# Altium PCB LARIX_V5.PcbDoc (part 2 of 2)
Units mil, origin at the board's own origin, x right, y up, seen from the top; angles counter-clockwise.
Board outline 4291.67 x 4291.67 mil, 4 copper layers (Top, VCC_VDD, PGND_DGND, Bottom), stack 64.961 mil thick; 174 components, 176 nets, 678 pads, 226 vias.
Unrouted connection lines stored in the file: 1.
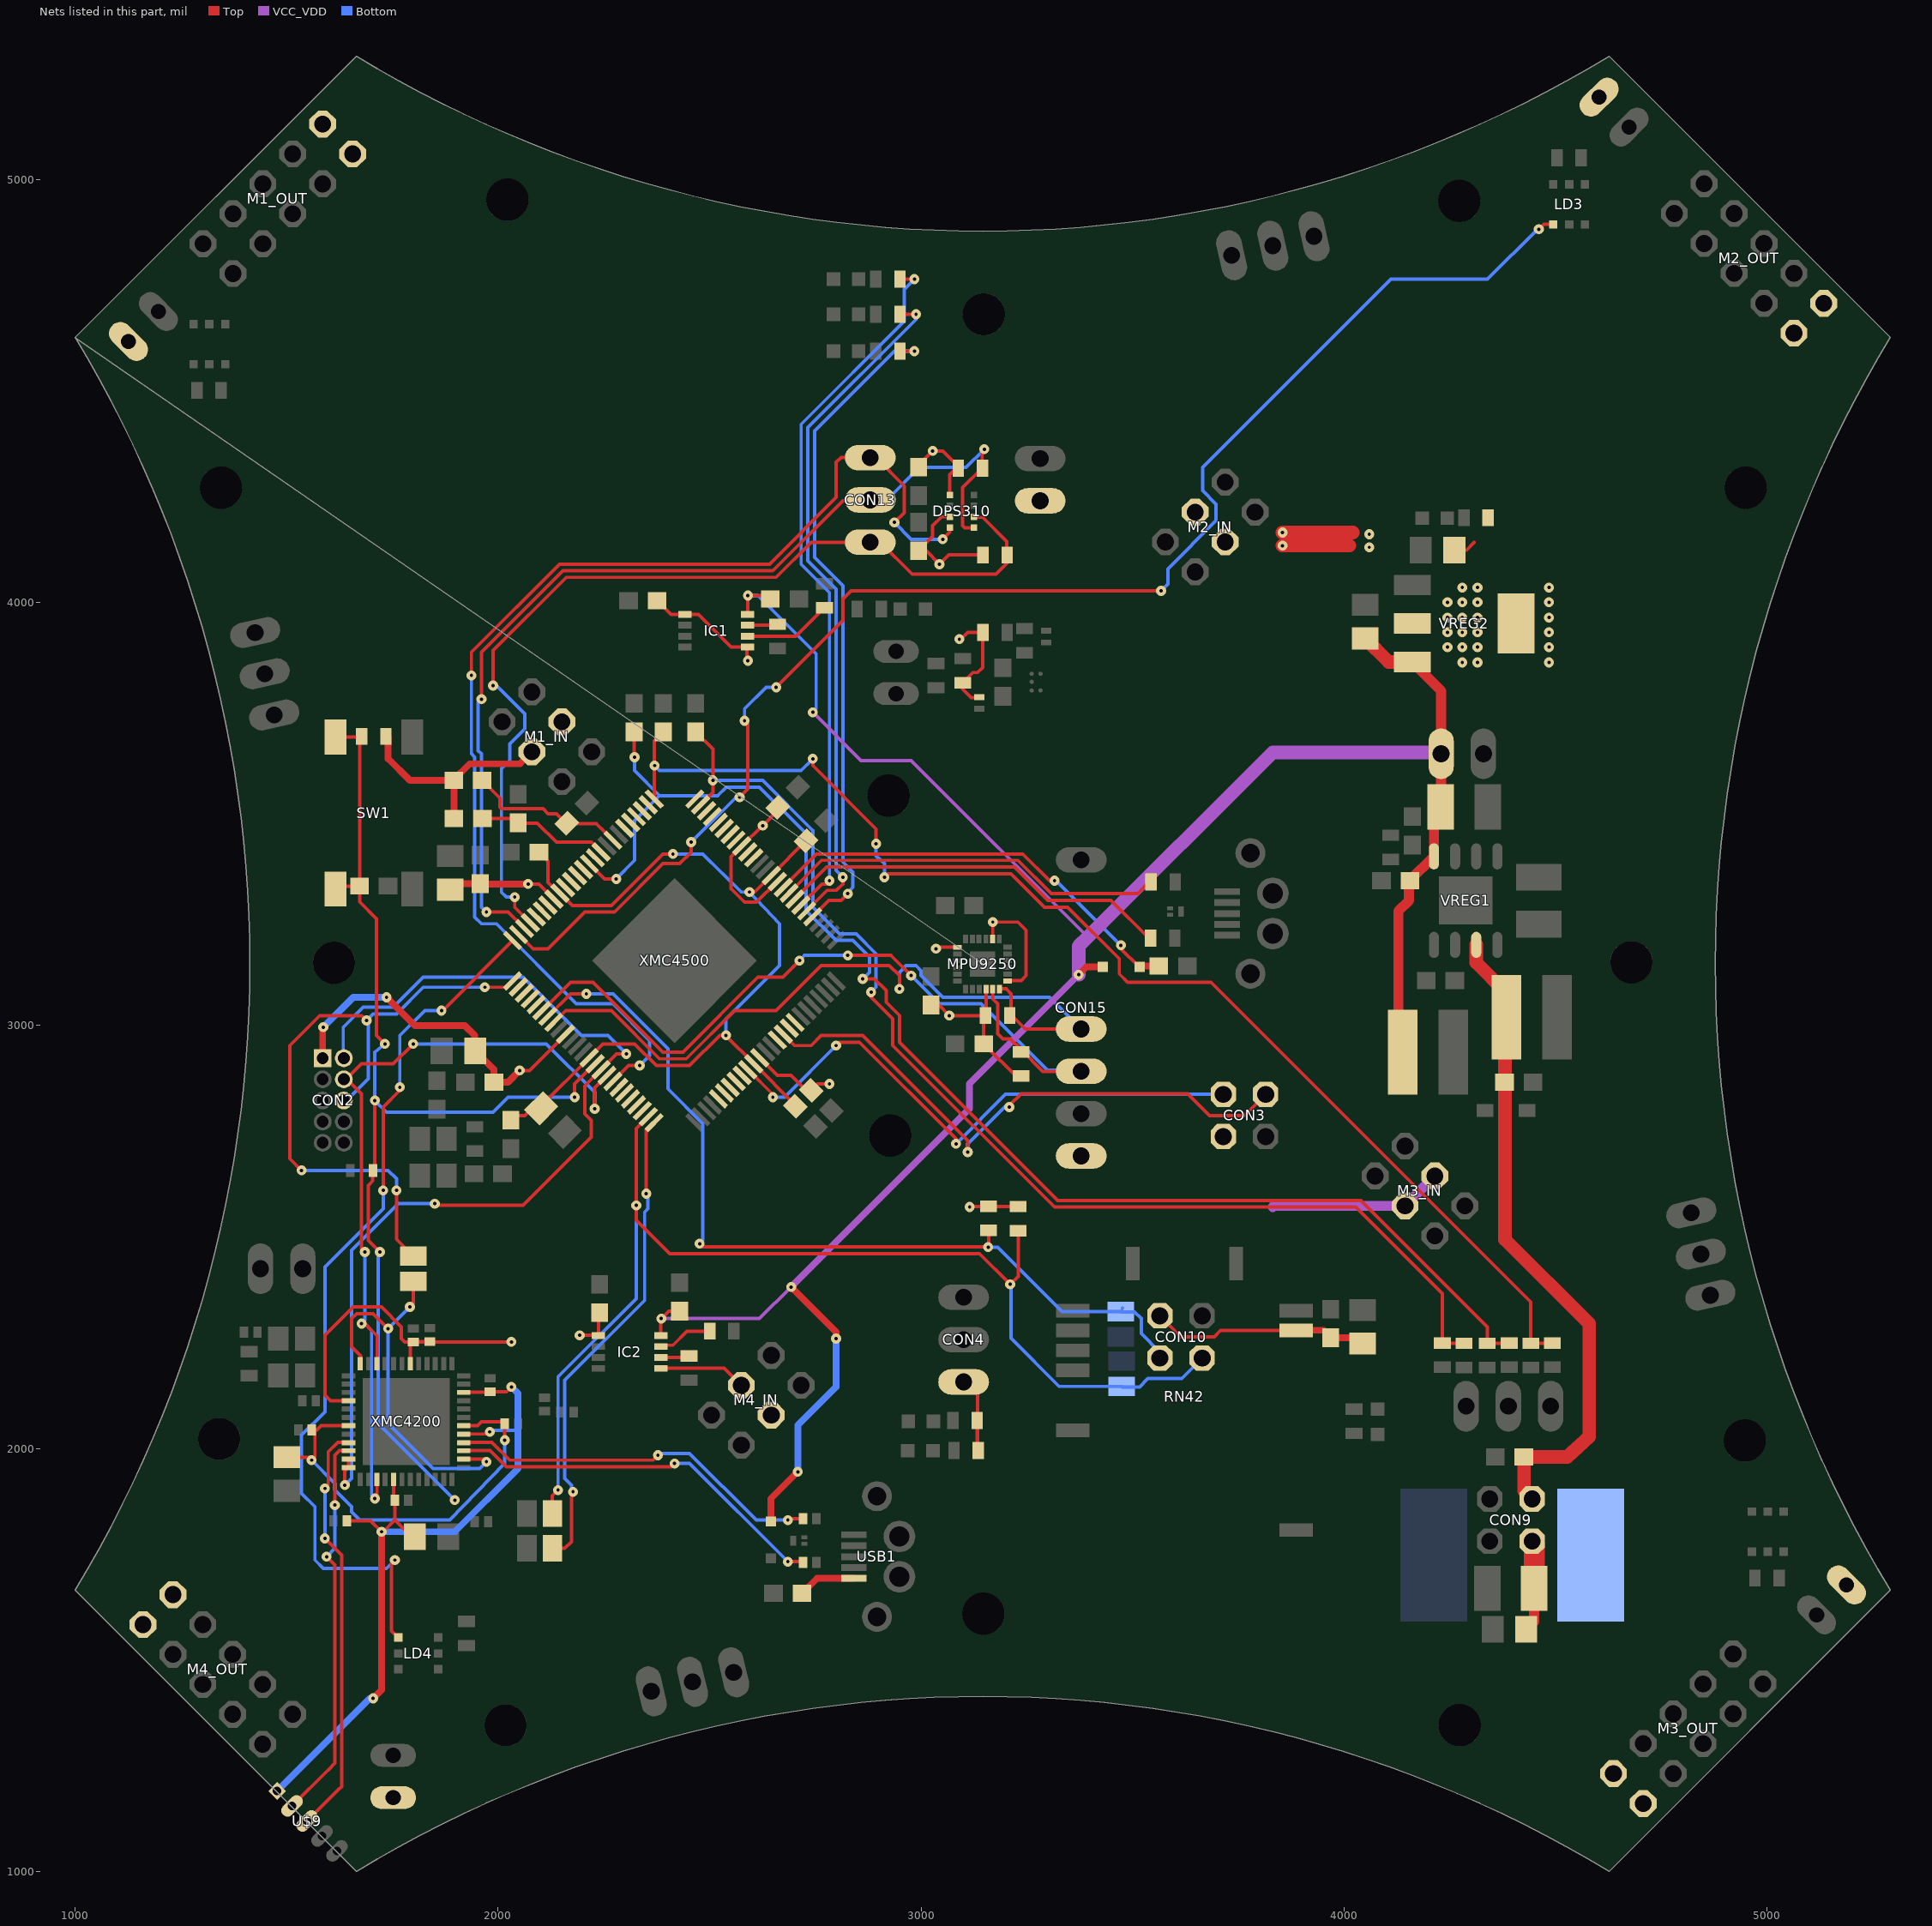
[diagram p4: the nets of this part, all layers, seen from the top]

## Via types
v1: diameter 23.75/23.75/23.75/23.75 (per signal layer), hole 8, Top to Bottom, 226 vias

## Nets (pads, with @x,y where several pads share a name; then routed paths per layer and width w, separated by ;. In a path a pad name is that pad's centre, name@x,y a point inside that pad or via, vN(x,y) a via of type N, cw(c..) or ccw(c..) an arc to the next point about the centre after c; other vN are vias at no path point) (continued)
P1.4: SJ5.1 XMC4500.75 | length 1143.6
  Top w8: SJ5.1@2128.43,1763.78 2157.48,1763.78 2173.23,1779.53 2173.23,1893.7 v1(2177.17,1897.64) ; v1(2350.39,2602.36) 2350.39,2752.55 XMC4500.75@2369.02,2771.18
  Bottom w8: v1(2177.17,1897.64) 2173.23,1901.57 2173.23,1913.39 2157.48,1929.13 2157.48,2161.42 2346.46,2350.39 2346.46,2559.06 2354.33,2566.93 2354.33,2598.43 v1(2350.39,2602.36)
P1.5: CON10.2 R8.2 SJ2.1 SJ6.1 XMC4500.74 | length 2806.7
  Top w8: SJ6.1@2128.43,1846.46 2128.43,1888.27 v1(2141.73,1901.57) ; XMC4500.74@2355.1,2785.1 2326.77,2756.76 v1(2326.77,2574.8) 2326.77,2539.37 2405.51,2460.63 3138.19,2460.63 v1(3210.67,2388.19) 3229.67,2407.09 R8.2@3229.67,2515.94
  Bottom w8: v1(2141.73,1901.57) 2141.73,2169.29 2326.77,2354.33 v1(2326.77,2574.8) ; v1(3210.67,2388.19) 3212.67,2386.61 3212.67,2261.02 3326.67,2146.77 SJ2.1@3474.67,2146.77 3475.67,2145.67 3516.67,2145.67 3535.67,2165.35 3616.67,2165.35 CON10.2@3664.67,2213.78
P1.6: XMC4500.83
P1.7: XMC4500.82
P1.8: XMC4500.81
P1.9: XMC4500.80
P1.10: XMC4500.73
P1.11: XMC4500.72
P1.12: XMC4500.71
P1.13: XMC4500.70
P1.14: XMC4500.69
P1.15: CON13.3 DPS310.P5 XMC4500.68 | length 2862
  Top w8: v1(1937.01,3827.67) 1937.01,3882.67 2145.67,4090.67 2641.73,4090.67 2799.21,4248.67 2799.21,4331.67 2811.02,4342.67 CON13.3@2879.92,4342.67 2893.7,4342.67 2960.63,4275.67 2960.63,4212.67 v1(2937.01,4189.67) ; XMC4500.68@2271.59,2868.61 2308.49,2905.51 v1(2334.65,2905.51) ; v1(3051.18,4149.67) 3067.91,4166.67 DPS310.P5@3067.91,4176.67
  Bottom w8: v1(1937.01,3827.67) 1937.01,3642.67 1944.88,3634.67 1944.88,3256.67 1960.63,3240.67 1996.06,3240.67 2185.04,3051.18 2271.65,3051.18 2358.27,2964.57 2358.27,2929.13 v1(2334.65,2905.51) ; v1(2937.01,4189.67) 2976.38,4149.67 v1(3051.18,4149.67)
P2.0: XMC4500.52
P2.2: LD4.P_1 XMC4500.50 | length 2108.2
  Top w8: v1(1728.35,2610.24) 1728.35,2807.09 1767.72,2846.46 v1(1767.72,2854.33) ; v1(1755.91,1736.22) 1748.03,1728.35 1748.03,1568.9 LD4.P_1@1763.78,1553.15 ; v1(1866.14,3035.43) 1869.1,3035.43 XMC4500.50@2034.96,3201.67
  Bottom w8: v1(1728.35,2610.24) 1728.35,2566.93 1590.55,2429.13 1590.55,2086.61 1535.43,2031.5 1535.43,1893.7 1566.93,1862.2 1566.93,1736.22 1586.61,1716.54 1736.22,1716.54 v1(1755.91,1736.22) ; v1(1767.72,2854.33) 1767.72,2976.38 1826.77,3035.43 v1(1866.14,3035.43)
P2.3: LD3.P_1 XMC4500.49 | length 3474.8
  Top w8: XMC4500.49@2048.87,3215.67 2082.98,3181.67 2118.11,3181.67 2204.72,3268.67 2275.59,3268.67 2389.76,3382.67 2429.13,3382.67 2456.69,3409.67 v1(2456.69,3433.67) ; v1(2570.87,3539.67) 2590.55,3559.67 2590.55,3712.67 v1(2582.68,3720.67) ; v1(2657.48,3799.67) 2814.96,3957.67 2814.96,4008.67 2834.65,4027.67 v1(3567.67,4027.67) ; v1(4460.67,4882.67) 4472.67,4894.67 LD3.P_1@4494.67,4894.67
  Bottom w8: v1(2456.69,3433.67) 2562.99,3539.67 v1(2570.87,3539.67) ; v1(2582.68,3720.67) 2582.68,3748.67 2633.86,3799.67 v1(2657.48,3799.67) ; v1(3567.67,4027.67) 3583.67,4043.67 3583.67,4079.67 3697.67,4193.67 3697.67,4232.67 3665.67,4264.67 3665.67,4319.67 4110.67,4764.67 4338.67,4764.67 4457.67,4882.67 v1(4460.67,4882.67)
P2.4: CON13.2 DPS310.P4 R16.2 XMC4500.48 | length 2351.5
  Top w8: v1(1960.63,3771.67) 1960.63,3882.67 2153.54,4075.67 2649.61,4075.67 2814.96,4240.67 2877.56,4240.67 CON13.2@2879.92,4242.67 ; v1(1972.44,3268.67) 2023.62,3268.67 2059.06,3233.67 XMC4500.48@2062.79,3229.67 ; DPS310.P4@3125,4176.67 3102.95,4176.67 3098.43,4181.67 3098.43,4271.67 3144.29,4317.67 3144.29,4357.67 v1(3149.67,4362.67)
  Bottom w8: v1(1960.63,3771.67) 1952.76,3764.67 1952.76,3649.67 1960.63,3642.67 1960.63,3279.67 v1(1972.44,3268.67) ; CON13.2@2879.92,4242.67 2881.5,4244.67 2921.26,4244.67 2996.06,4319.67 3106.3,4319.67 v1(3149.67,4362.67)
P2.5: CON13.1 DPS310.P3 R17.2 XMC4500.47 | length 2276.1
  Top w8: v1(1988.19,3803.67) 1988.19,3886.67 2161.42,4059.67 2657.48,4059.67 2740.16,4142.67 2825.98,4142.67 CON13.1@2826.77,4142.67 ; v1(2039.37,3303.67) 2039.37,3279.67 2075.85,3243.67 XMC4500.47@2076.71,3243.67 ; 2807.87,4142.67 CON13.1@2826.77,4142.67 ; DPS310.P3@3125,4202.67 3126.38,4201.67 3145.67,4201.67 3202.67,4144.67 3202.67,4112.67 3202.67,4092.67 3177.67,4067.67 2979.13,4067.67 2903.54,4142.67 CON13.1@2879.92,4142.67 CON13.1@2826.77,4142.67
  Bottom w8: v1(1988.19,3803.67) 1996.06,3803.67 2062.99,3736.67 2062.99,3701.67 2027.56,3665.67 2027.56,3626.67 2007.87,3606.67 2007.87,3315.67 2019.68,3303.67 v1(2039.37,3303.67)
P2.6: XMC4500.54
P2.7: XMC4500.53
P2.8: XMC4500.46
P2.9: XMC4500.45
P2.10: XMC4500.44
P2.14: XMC4500.41
P2.15: XMC4500.40
P3.0: R22.2 XMC4500.7 | length 1686.6
  Top w8: XMC4500.7@2715.61,3285.67 2765.46,3334.67 2775.59,3334.67 v1(2783.46,3342.67) ; R22.2@2949.41,4764.67 v1(2984.25,4764.67)
  Bottom w8: v1(2783.46,3342.67) 2783.46,4023.67 2716.54,4090.67 2716.54,4421.67 2960.63,4665.67 2960.63,4740.67 v1(2984.25,4764.67)
P3.1: R23.2 XMC4500.6 | length 1637.2
  Top w8: XMC4500.6@2729.53,3271.67 2777.55,3319.67 2799.21,3319.67 2814.96,3334.67 v1(2814.96,3350.67) ; R23.2@2949.41,4681.67 v1(2988.19,4681.67)
  Bottom w8: v1(2814.96,3350.67) 2799.21,3366.67 2799.21,4031.67 2732.28,4098.67 2732.28,4413.67 2988.19,4669.67 v1(2988.19,4681.67)
P3.2: R21.2 XMC4500.5 | length 1590.3
  Top w8: XMC4500.5@2743.45,3257.67 2781.77,3295.67 2811.02,3295.67 v1(2826.77,3311.67) ; R21.2@2949.41,4594.67 v1(2984.25,4594.67)
  Bottom w8: v1(2826.77,3311.67) 2838.58,3327.67 2838.58,3362.67 2814.96,3386.67 2814.96,4039.67 2748.03,4106.67 2748.03,4405.67 2937.01,4594.67 v1(2984.25,4594.67)
P3.3: XMC4500.93
P3.4: XMC4500.92
P3.5: CON3.3 XMC4500.91 | length 1404.7
  Top w8: XMC4500.91@2673.86,2979.97 2701.07,2952.76 2740.16,2952.76 2763.78,2976.38 2862.2,2976.38 3110.24,2728.35 v1(3110.24,2700.79) ; v1(3208.67,2807.09) 3208.67,2811.02 3236.67,2838.58 3630.67,2838.58 3681.67,2787.4 3764.67,2787.4 CON3.3@3814.67,2837.4
  Bottom w8: v1(3110.24,2700.79) 3110.24,2720.47 3197.67,2807.09 v1(3208.67,2807.09)
P3.6: XMC4500.90
P4.0: CON3.4 XMC4500.85 | length 1364
  Top w8: XMC4500.85@2590.34,2896.45 2649.61,2837.18 v1(2649.61,2830.71) ; v1(2799.21,2952.76) 2807.09,2960.63 2854.33,2960.63 3082.68,2732.28 v1(3082.68,2720.47)
  Bottom w8: v1(2649.61,2830.71) 2677.17,2830.71 v1(2799.21,2952.76) ; v1(3082.68,2720.47) 3199.67,2837.4 CON3.4@3714.67,2837.4
P4.1: XMC4500.84
P5.0: CON15.4 MPU9250.24 R15.1 XMC4500.58 | length 1814
  Top w8: XMC4500.58@2132.39,3007.81 2160.02,3035.43 2267.72,3035.43 2381.89,2921.26 2444.88,2921.26 2559.06,3035.43 2657.48,3035.43 2763.78,3141.73 2925.2,3141.73 2948.82,3118.11 v1(2948.82,3086.61) ; MPU9250.24@3185.67,3086.61 3201.67,3086.61 3212.67,3074.8 3212.67,3025.59 3214.67,3023.62 3246.67,2991.73 CON15.4@3378.67,2991.73
  Bottom w8: v1(2948.82,3086.61) 2948.82,3125.98 2964.57,3141.73 2988.19,3141.73 3000,3129.92 3000,3118.11 3051.18,3066.93 3303.67,3066.93 CON15.4@3378.67,2991.73
P5.1: CON10.4 R9.2 SJ3.1 XMC4500.57 | length 2136.2
  Top w8: XMC4500.57@2118.47,3021.73 2171.55,3074.8 v1(2208.66,3074.8) ; v1(2476.38,2484.25) 2484.25,2476.38 3158.67,2476.38 v1(3158.67,2475.98) 3159.67,2477.17 R9.2@3159.67,2516.34
  Bottom w8: v1(2208.66,3074.8) 2271.65,3074.8 2401.57,2944.88 2401.57,2850.39 2484.25,2767.72 2484.25,2492.13 v1(2476.38,2484.25) ; v1(3158.67,2475.98) 3181.67,2475.98 3333.67,2323.7 SJ3.1@3472.67,2323.7 ; SJ3.1@3476.67,2331.97 SJ3.1@3472.67,2323.7 ; CON10.4@3564.67,2213.78 3564.67,2227.17 3520.67,2271.65 3520.67,2307.09 3504.67,2322.83 3473.67,2322.83 SJ3.1@3472.67,2323.7
P5.2: CON15.3 MPU9250.23 R14.1 XMC4500.56 | length 1923.4
  Top w8: XMC4500.56@2104.55,3035.64 2171.27,3102.36 2224.41,3102.36 2389.76,2937.01 2437.01,2937.01 2614.17,3114.17 2673.23,3114.17 v1(2712.6,3153.67) ; v1(2826.77,3165.67) 2929.13,3165.67 v1(2976.38,3118.11) ; MPU9250.23@3169.67,3086.61 3169.67,3062.83 3181.67,3051.18 3181.67,2980.32 3193.67,2968.5 3210.67,2968.5 3236.67,2942.91 3287.67,2891.73 CON15.3@3378.67,2891.73
  Bottom w8: v1(2712.6,3153.67) 2724.41,3165.67 v1(2826.77,3165.67) ; v1(2976.38,3118.11) 3043.31,3051.18 3141.73,3051.18 3298.67,2894.68 3324.67,2894.68 3327.67,2891.73 CON15.3@3378.67,2891.73
P5.7: XMC4500.55
P14.0: XMC4500.31
P14.1: XMC4500.30
P14.2: XMC4500.29
P14.3: XMC4500.28
P14.4: XMC4500.27
P14.5: C29.1 R13.2 R18.1 XMC4500.26 | length 3108.7
  Top w8: v1(2370.08,3614.67) 2369.02,3613.67 2369.02,3535.67 2369.02,3672.67 C29.1@2390.55,3694.67 ; v1(2744.09,3630.67) 2744.09,3614.67 2893.7,3464.67 v1(2893.7,3429.67) ; v1(2913.39,3350.67) 2921.26,3358.67 3212.67,3358.67 3291.67,3279.67 3346.67,3279.67 3468.67,3157.67 3468.67,3122.05 3488.67,3102.36 3685.67,3102.36 4441.67,2346.46 R18.1@4441.67,2248.62 R13.2@4492.67,2248.62
  Bottom w8: v1(2370.08,3614.67) 2381.89,3602.67 2716.54,3602.67 v1(2744.09,3630.67) ; v1(2893.7,3429.67) 2893.7,3401.67 2913.39,3382.67 v1(2913.39,3350.67)
P14.6: XMC4500.25
P14.7: C31.1 R29.2 R30.1 XMC4500.24 | length 2817.6
  Top w8: C31.1@2466.93,3694.67 2507.87,3653.67 v1(2507.87,3579.67) 2507.87,3551.67 2478.98,3522.67 XMC4500.24@2478.98,3521.67 ; v1(2881.89,3078.74) 2881.89,3066.93 2933.07,3015.75 2933.07,2952.76 3315.67,2570.87 4027.67,2570.87 4232.67,2366.14 4232.67,2248.62 R30.1@4283.67,2248.62
  Bottom w8: v1(2507.87,3579.67) 2625.98,3579.67 2744.09,3460.67 2744.09,3279.67 2807.09,3216.67 2846.46,3216.67 2893.7,3169.67 2893.7,3090.55 v1(2881.89,3078.74)
P14.8: C30.1 R19.1 R28.2 XMC4500.37 | length 3289.2
  Top w8: XMC4500.37@2215.91,3382.67 2247.75,3350.67 2248.03,3350.67 2251.97,3346.67 v1(2279.53,3346.67) ; C30.1@2321.65,3693.67 2321.65,3635.67 v1(2322.83,3634.67) ; v1(2862.2,3110.24) 2889.76,3110.24 2917.32,3082.68 2917.32,3055.12 2948.82,3023.62 2948.82,2960.63 3323.67,2586.61 4039.67,2586.61 4338.67,2287.4 R19.1@4338.67,2248.62 R28.2@4390.67,2248.62
  Bottom w8: v1(2279.53,3346.67) 2322.83,3390.67 2322.83,3484.67 2381.89,3543.67 ; v1(2322.83,3634.67) 2322.83,3602.67 2381.89,3543.67 ; v1(2862.2,3110.24) 2877.95,3125.98 2877.95,3161.67 2838.58,3201.67 2799.21,3201.67 2728.35,3271.67 2728.35,3453.67 2618.11,3563.67 2539.37,3563.67 2519.68,3543.67 2381.89,3543.67
P14.9: XMC4500.36
P14.12: XMC4500.23
P14.13: XMC4500.22
P14.14: XMC4500.21
P14.15: XMC4500.20
P15.2: XMC4500.19
P15.3: XMC4500.18
P15.8: XMC4500.39
P15.9: XMC4500.38
PWM_MC1: IC1.7 R36.2 | length 75.7
  Top w8: IC1.7@2589.57,3946.67 2659.11,3946.67 R36.2@2660.54,3952.67
PWM_MC2: IC1.6 R35.2 | length 214.2
  Top w8: IC1.6@2589.57,3920.67 2703.74,3920.67 2771.06,3987.67 R35.2@2771.65,3982.67
PWM_MC3: IC2.7 R37.2 | length 131.5
  Top w8: IC2.7@2384.84,2241.14 2387.8,2244.09 2413.39,2244.09 2446.71,2277.42 R37.2@2501.35,2277.42
PWM_MC4: IC2.6 R38.2 | length 72.4
  Top w8: IC2.6@2384.84,2215.55 2449.6,2215.55 R38.2@2451.41,2223
RESET#: C20.1 D5.2 R1.1 SW1.P SW1.P1 XMC4500.65 | length 2652.4
  Top w8: SW1.P1@1615.35,3323.67 1621.26,3329.67 C20.1@1672.44,3329.67 ; SW1.P@1615.35,3681.67 1670.47,3681.67 1672.44,3683.67 C20.1@1672.44,3329.67 ; v1(1708.66,2822.83) 1708.66,2662.4 1703.74,2657.48 1703.74,2632.87 1692.91,2622.05 1692.91,2492.13 v1(1720.47,2464.57) ; v1(1732.28,2956.69) 1712.6,2976.38 1712.6,3252.67 1672.44,3292.67 C20.1@1672.44,3329.67 ; v1(2181.1,2830.71) 2181.1,2862.2 2229.27,2910.37 XMC4500.65@2229.83,2910.37
  Bottom w8: v1(1720.47,2464.57) 1716.54,2460.63 1716.54,2059.06 v1(1897.64,1877.95) ; v1(1732.28,2956.69) 1708.66,2937.01 v1(1708.66,2822.83) 1736.22,2795.28 1988.19,2795.28 2023.62,2830.71 v1(2181.1,2830.71)
RTC1: XMC4500.15
RTC2: XMC4500.16
SWV: CON2.6 SJ1.2 XMC4500.51 | length 1556.5
  Top w8: v1(1535.43,2657.48) 1507.87,2685.04 1507.87,2952.76 1578.74,3023.62 1677.17,3023.62 v1(1688.98,3011.81) ; v1(1759.84,2610.24) 1759.84,2494.57 SJ1.2@1799.21,2455.2 ; v1(1968.5,3090.55) 2020.26,3090.55 XMC4500.51@2034.96,3105.24
  Bottom w8: v1(1535.43,2657.48) 1740.16,2657.48 1759.84,2637.8 v1(1759.84,2610.24) ; CON2.6@1635.24,2822.83 1641.73,2822.83 1692.91,2874.02 1692.91,3007.87 v1(1688.98,3011.81) 1704.72,3027.56 1759.84,3027.56 1822.83,3090.55 v1(1968.5,3090.55)
SWV_DBG: SJ1.1 XMC4200.2 XMC4200.24 | length 921.4
  Top w8: XMC4200.24@1674.53,2200.59 1674.53,2219.17 1653.54,2240.16 1653.54,2307.09 1665.35,2318.9 1704.72,2318.9 v1(1740.16,2283.46) ; v1(1791.34,2334.65) 1799.21,2342.52 SJ1.1@1799.21,2395.2 ; XMC4200.2@1918.62,1975.2 1965.75,1975.2 v1(1972.44,1968.5)
  Bottom w8: v1(1791.34,2334.65) v1(1740.16,2283.46) 1740.16,2059.06 1846.46,1952.76 1956.69,1952.76 v1(1972.44,1968.5)
TCK: CON2.4 XMC4200.22 XMC4200.39 XMC4500.67 | length 2005.8
  Top w8: v1(1677.17,2295.28) 1685.04,2295.28 1713.9,2266.42 XMC4200.22@1713.9,2200.59 ; v1(1685.04,2464.57) 1677.17,2472.44 1677.17,2838.58 CON2.4@1641.73,2874.02 ; v1(1708.66,1881.89) 1713.9,1887.13 XMC4200.39@1713.9,1926.97 ; v1(1799.21,2956.69) 1751.97,2909.45 1677.17,2909.45 CON2.4@1641.73,2874.02 ; v1(2228.35,2803.15) 2228.35,2853.21 XMC4500.67@2257.67,2882.53 ; CON2.4@1641.73,2874.02 1636.42,2874.02 CON2.4@1635.24,2872.83 1640.55,2872.83 CON2.4@1641.73,2874.02
  Bottom w8: v1(1685.04,2464.57) 1685.04,2303.15 v1(1677.17,2295.28) 1685.04,2295.28 1700.79,2279.53 1700.79,1889.76 v1(1708.66,1881.89) ; v1(1799.21,2956.69) 2114.17,2956.69 2228.35,2842.52 v1(2228.35,2803.15)
TMS: CON2.2 XMC4200.35 XMC4200.36 XMC4500.66 | length 2432.9
  Top w8: v1(1637.8,1913.39) 1637.8,1946.34 1646.97,1955.51 XMC4200.35@1646.97,1975.2 ; v1(1850.39,2578.74) 1854.33,2574.8 2059.06,2574.8 2220.47,2736.22 2220.47,2775.59 2204.72,2791.34 2204.72,2857.43 2243.75,2896.45 2280.37,2933.07 v1(2303.15,2933.07)
  Bottom w8: CON2.2@1635.24,2922.83 1633.86,2924.21 1633.86,2996.06 1681.1,3043.31 1751.97,3043.31 1822.83,3114.17 2059.06,3114.17 2196.85,2976.38 2259.84,2976.38 v1(2303.15,2933.07) ; v1(1637.8,1913.39) 1653.54,1929.13 1653.54,2468.5 1763.78,2578.74 v1(1850.39,2578.74)
USB_D+: R11.2 XMC4500.9 | length 928.1
  Top w8: XMC4500.9@2687.78,3312.67 2764.9,3390.67 3228.67,3390.67 3307.67,3311.67 3511.67,3311.67 R11.2@3538.67,3339.67
USB_D-: R10.2 XMC4500.8 | length 937.3
  Top w8: XMC4500.8@2701.7,3299.67 2776.99,3374.67 3220.67,3374.67 3299.67,3295.67 3448.67,3295.67 R10.2@3538.67,3206.67
USBVCC: L6.1 USB1.5 | length 137.9
  Top w16: L6.1@2718.5,1657.48 2753.94,1692.91 USB1.5@2841.73,1692.91
VAREF: C16.1 L2.1 XMC4500.33 | length 379.9
  Top w8: L2.1@1962.6,3579.67 2003.94,3537.67 2003.94,3516.67 2007.87,3512.67 2106.3,3512.67 2118.11,3500.67 2137.8,3500.67 2160.31,3477.67 2162.53,3477.67 2232.01,3477.67 XMC4500.33@2271.59,3438.67
VBAT_IN: C25.1 C27.1 C32.1 C33.2 CON9.2 CON9.4 EL1.1 EL2.1 EL3.1 EL4.1 L4.P$2 M1_OUT.9 M1_OUT.10 M2_OUT.9 M2_OUT.10 M3_OUT.9 M3_OUT.10 M4_OUT.9 M4_OUT.10 PAD1.P$1 VREG1.7 | length 1790
  Top w8: L4.P$2@4380.67,3003.94 4380.67,3016.85 L4.P$2@4383.67,3019.68 4383.67,3077.09 L4.P$2@4383.67,3077.48
  Top w16: C27.1@4425.67,1979.92 C27.1@4425.67,1980.32
  Top w24: C25.1@4431.67,1572.83 4449.67,1590.94 C32.1@4449.67,1669.29
  Top w32: VREG1.7@4312.67,3191.67 4312.67,3148.67 L4.P$2@4383.67,3077.48 ; L4.P$2@4380.67,3019.61 4380.67,3003.94 4380.67,2866.14 4380.67,2494.09 4579.67,2295.28 4579.67,2027.56 4527.67,1980.32 C27.1@4425.67,1980.32 ; C27.1@4425.67,1979.92 4425.67,1899.61 CON9.2@4444.67,1880.71
  Top w50: CON9.4@4444.67,1780.71 4449.67,1775.59 C32.1@4449.67,1669.29
VBUS: D2.A L1.1 XMC4500.10 | length 1037.2
  Top w8: XMC4500.10@2673.86,3326.67 2752.81,3405.67 3240.67,3405.67 3303.67,3342.67 v1(3315.67,3342.67) ; v1(3472.67,3189.67) 3472.67,3181.67 D2.A@3515.67,3138.58
  Top w16: D2.A@3515.67,3138.58 3517.67,3140.8 L1.1@3562.67,3140.8
  Bottom w8: v1(3315.67,3342.67) 3323.67,3338.67 v1(3472.67,3189.67)
VDD3.1: 
VDD3.3: C1.1 C2.1 C3.1 C4.1 C5.1 C6.1 C14.1 C15.2 C18.2 C21.2 C23.1 C37.1 C38.1 C39.1 C42.1 C43.1 C204.1 C211.1 C212.1 C213.1 CON2.1 CON3.2 CON4.1 CON10.3 CON12.1 CON15.1 D3.P$2 DPS310.P6 DPS310.P8 IC1.1 IC1.5 IC2.1 IC2.5 L2.2 L3.2 M1_IN.3 M1_IN.4 M2_IN.3 M2_IN.4 M3_IN.3 M3_IN.4 M4_IN.3 M4_IN.4 MPU9250.1 MPU9250.8 MPU9250.13 MPU9250.22 R1.2 R2.1 R4.1 R5.2 R8.1 R9.1 R14.2 R15.2 R16.1 R17.1 R201.1 R202.1 R211.2 RN42.VDD U$9.P$1 VREG2.2 VREG2.4 XMC4200.5 XMC4200.10 XMC4200.18 XMC4200.28 XMC4200.41 XMC4500.11 XMC4500.17 XMC4500.43 XMC4500.60 XMC4500.87 | length 8839.4
  Top w8: R211.2@1641.93,1829.13 1698.43,1829.13 v1(1724.41,1803.15) 1728.09,1803.15 1755.65,1830.71 ; XMC4200.28@1646.97,2112.99 1603.54,2112.99 1590.55,2125.98 1590.55,2267.72 1657.48,2334.65 1724.41,2334.65 1771.65,2287.4 1771.65,2259.84 1779.53,2251.97 C213.1@1791.33,2251.97 ; XMC4200.41@1753.27,1926.97 1753.27,1880.34 C212.1@1755.95,1877.66 1755.95,1831 1755.65,1830.71 ; C39.1@1803.15,1791.34 1795.02,1791.34 1755.65,1830.71 ; C204.1@1838.58,2253.05 1792.81,2253.05 C213.1@1799.41,2251.77 ; C1.1@1886.5,3320.67 C1.1@1896.83,3335.67 ; L3.2@1895.67,3490.67 L3.2@1896.15,3489.67 ; L2.2@1895.67,3579.67 L2.2@1895.67,3581.67 ; XMC4200.5@1918.62,2034.25 1975.2,2034.25 v1(1980.32,2039.37) ; XMC4200.10@1918.62,2132.68 1979.43,2132.68 C211.1@1980.95,2134.2 2020.03,2134.2 v1(2031.5,2145.67) ; C2.1@1944.88,2941.34 C2.1@1945.76,2940.47 ; C4.1@1957.84,3335.67 C4.1@1968.64,3331.67 ; v1(2031.5,2251.97) C213.1@1791.34,2251.97 ; v1(2051.18,2893.7) 2073.96,2893.7 XMC4500.60@2160.23,2979.97 ; v1(2070.87,3334.67) 2096.47,3334.67 XMC4500.43@2132.39,3299.67 ; v1(2192.91,2267.72) 2236.22,2267.72 IC2.1@2237.2,2266.73 2237.2,2317.91 C43.1@2240.16,2320.87 ; C42.1@2375.98,4004.67 2408.46,3971.67 2441.93,3971.67 2473.43,3971.67 2551.18,3894.67 IC1.5@2588.58,3894.67 ; IC2.5@2384.84,2189.96 2534.64,2189.96 M4_IN.3@2575.19,2149.4 ; IC1.5@2589.57,3895.67 IC1.5@2588.58,3894.67 ; v1(2590.55,3862.67) 2588.58,3864.67 IC1.5@2588.58,3894.67 ; XMC4500.87@2618.18,2924.29 2660.58,2881.89 2692.91,2881.89 2728.31,2846.5 C6.1@2740.12,2846.5 2755.82,2862.2 v1(2783.46,2862.2) ; XMC4500.11@2659.94,3340.67 2610.8,3291.67 2582.68,3291.67 2551.18,3323.67 2551.18,3399.67 2576.42,3424.67 2625.98,3473.67 v1(2625.98,3472.67) 2661.38,3508.67 C3.1@2661.38,3516.67 ; C14.1@2994.09,4319.67 2994.09,4325.67 v1(3027.56,4358.67) 3051.18,4358.67 3087.99,4321.67 R16.1@3087.99,4317.67 3082.68,4317.67 3067.91,4302.67 DPS310.P8@3067.91,4253.67 ; C21.2@3023.62,3049.21 3041.34,3049.21 v1(3066.93,3023.62) R15.2@3147.67,3023.62 ; v1(3035.43,3181.67) 3039.21,3185.67 MPU9250.13@3086.61,3185.67 ; DPS310.P6@3067.91,4202.67 3048.62,4202.67 3027.56,4181.67 3027.56,4156.67 C15.2@2994.09,4122.67 2994.49,4122.67 3011.81,4122.67 v1(3043.31,4090.67) 3065.35,4112.67 R17.1@3145.67,4112.67 ; v1(3090.55,3913.67) 3094.49,3913.67 3110.24,3929.67 3145.67,3929.67 3145.67,3846.67 3133.86,3834.67 3122.64,3834.67 3098.43,3810.67 3098.43,3795.67 3118.11,3775.67 D3.P$2@3137.8,3775.67 ; CON4.1@3100.67,2157.42 3118.17,2157.42 3133.86,2141.73 3133.86,2008.32 R201.1@3135.09,1995.28 3132.82,2001.48 R202.1@3132.82,2066.14 ; v1(3114.96,2570.87) 3117.13,2572.24 R8.1@3229.67,2572.24 3160.67,2572.24 R9.1@3159.67,2572.64 ; MPU9250.22@3154.67,3086.61 3153.67,3086.46 3153.67,3035.43 3147.67,3029.53 R15.2@3147.67,3023.62 ; MPU9250.8@3169.67,3205.67 v1(3169.67,3244.67) 3228.67,3244.67 3248.67,3224.67 3248.67,3118.11 3236.67,3106.46 MPU9250.1@3205.67,3106.46 ; R14.2@3236.67,2875.98 3228.67,2875.98 3147.67,2956.69 R15.2@3147.67,3023.62 ; CON10.3@3564.67,2313.78 3614.67,2263.78 3693.67,2263.78 3708.67,2279.53 RN42.VDD@3886.67,2279.53 ; C23.1@4260.67,4123.67 4289.67,4123.67 4307.67,4142.67 ; C213.1@1791.33,2251.97 C213.1@1799.41,2251.77 ; C213.1@1791.34,2251.97 C213.1@1792.64,2250.67 ; C213.1@1792.64,2250.67 XMC4200.18@1792.64,2200.59 C213.1@1792.64,2250.67 ; C213.1@1792.64,2250.67 C213.1@1799.41,2251.77
  Top w16: CON2.1@1585.24,2922.83 1585.24,2994.68 v1(1586.61,2996.06) ; v1(1704.72,1409.45) 1724.41,1429.13 v1(1724.41,1803.15) ; v1(1736.22,3066.93) 1803.15,3000 1921.26,3000 1944.88,2976.38 C2.1@1944.88,2941.34 ; R1.2@1739.37,3683.67 1740.16,3682.67 1740.16,3630.67 1791.34,3579.67 1895.67,3579.67 L3.2@1895.67,3490.67 ; L2.2@1895.67,3581.67 1933.07,3618.67 2051.63,3618.67 M1_IN.4@2080.01,3646.67 ; C1.1@1896.83,3335.67 C4.1@1957.84,3335.67 ; C2.1@1945.76,2940.47 1990.16,2896.06 C5.1@1990.16,2866.14 2023.62,2866.14 v1(2051.18,2893.7) ; C4.1@1968.64,3331.67 1976.38,3334.67 v1(2070.87,3334.67) ; RN42.VDD@3886.67,2279.53 3951.67,2279.53 C38.1@3968.67,2261.81 4029.67,2261.81 C37.1@4043.67,2248.03
  Top w32: v1(3854.67,4134.67) 4012.67,4134.67 ; v1(3854.67,4165.67) 4020.67,4165.67
  VCC_VDD w24: 3831.67,2570.87 3834.67,2574.8 3836.67,2573.49 4143.67,2573.49 M3_IN.4@4214.67,2644.2
  Bottom w8: U$9.P$1@1477.53,1190.13 U$9.P$1@1477.53,1198 ; v1(1980.32,2039.37) 1984.25,2043.31 2047.24,2043.31
  Bottom w16: U$9.P$1@1477.53,1190.13 1696.85,1409.45 v1(1704.72,1409.45) ; v1(1586.61,2996.06) 1657.48,3066.93 v1(1736.22,3066.93) ; v1(1724.41,1803.15) 1897.64,1803.15 2047.24,1952.76 2047.24,2043.31 2047.24,2129.92 v1(2031.5,2145.67)
  other v1: 4279.67,3858.67 4315.67,3858.67 4484.67,3858.67 4244.67,3894.67 4279.67,3894.67 4315.67,3894.67 4484.67,3894.67 4244.67,3929.67 4279.67,3929.67 4315.67,3929.67 4484.67,3929.67 4244.67,3964.67 4279.67,3964.67 4315.67,3964.67 4484.67,3964.67 4244.67,4000.67 4279.67,4000.67 4315.67,4000.67 4484.67,4000.67 4279.67,4035.67 4315.67,4035.67 4484.67,4035.67 4059.67,4130.67 4059.67,4161.67
VDD5: C22.1 C26.1 C35.1 C40.1 C41.1 CON14.1 D2.C IC1.8 IC2.8 L5.P$2 V203.C VREG1.4 VREG2.3 | length 5783
  Top w8: IC2.8@2384.84,2266.73 2384.84,2306.1 v1(2385.83,2307.09) 2403.54,2324.8 C40.1@2429.13,2324.8 ; IC1.8@2589.57,3971.67 2590.55,3972.67 v1(2590.55,4016.67) 2635.83,4016.67 C41.1@2643.7,4008.67 ; L5.P$2@4128.67,2963.07 4128.67,2947.72 L5.P$2@4138.67,2937.01
  Top w16: V203.C@2644.78,1827.46 2644.78,1881 v1(2708.66,1944.88) ; v1(2692.91,2381.89) 2799.21,2275.59 v1(2799.21,2259.84) ; v1(3372.67,3120.08) 3390.67,3138.58 D2.C@3429.67,3138.58
  Top w24: L5.P$2@4128.67,2963.07 4128.67,3270.67 4153.67,3295.67 4153.67,3340.67 4155.67,3342.67 4155.67,3343.67 4212.67,3399.67 4212.67,3484.67 4228.67,3516.67 4229.67,3501.67 CON14.1@4229.67,3642.67 4229.67,3790.67 VREG2.3@4161.67,3859.67
  Top w32: C22.1@4049.67,3915.67 4105.67,3859.67 VREG2.3@4161.67,3859.67
  VCC_VDD w8: v1(2385.83,2307.09) 2618.11,2307.09 v1(2692.91,2381.89) ; v1(2744.09,3740.67) 2858.27,3626.67 2976.38,3626.67 3392.67,3210.67 3395.67,3210.67
  VCC_VDD w16: v1(2692.91,2381.89) 3114.17,2803.15 3114.17,2862.2 v1(3372.67,3120.08)
  VCC_VDD w32: v1(3372.67,3120.08) 3372.67,3187.67 3395.67,3210.67 3831.67,3645.67 4225.67,3645.67 CON14.1@4229.67,3642.67
  Bottom w8: v1(2590.55,4016.67) 2614.17,4016.67 2751.97,3878.67 2751.97,3748.67 v1(2744.09,3740.67)
  Bottom w16: v1(2708.66,1944.88) 2708.66,2055.12 2799.21,2145.67 v1(2799.21,2259.84)
VDDA: C17.1 L3.1 XMC4500.35 | length 313.3
  Top w8: L3.1@1963.08,3489.67 2036.25,3489.67 2047.24,3478.67 2092.52,3478.67 2137.8,3433.67 2220.75,3433.67 XMC4500.35@2243.75,3410.67
VDDC: C7.1 C8.1 C9.1 C10.1 C11.1 XMC4500.12 XMC4500.42 XMC4500.64 XMC4500.86 | length 2167.1
  Top w8: C10.1@2030.34,2776.41 2041.34,2787.4 2062.99,2787.4 2080.17,2804.58 C11.1@2101.88,2804.58 ; C11.1@2084.11,2788.83 C11.1@2101.88,2804.58 ; C8.1@2096.46,3409.67 2118.11,3387.67 2118.11,3338.67 2144.05,3312.67 2146.31,3312.67 2175.49,3283.67 2267.72,3283.67 2389.76,3405.67 v1(2413.39,3405.67) ; v1(2594.49,3315.67) 2606.58,3315.67 2646.02,3354.67 C7.1@2728.31,3437.67 ; C9.1@2703.05,2809.43 2703.05,2811.58 2604.26,2910.37 2538.98,2975.65 v1(2538.98,2976.77) 2524.02,2976.77 2452.76,2905.51 2374.02,2905.51 2322.83,2956.69 2248.03,2956.69 2215.91,2924.57 2215.91,2924.29 2101.88,2810.27 C11.1@2101.88,2804.58
  Bottom w8: v1(2413.39,3405.67) 2484.25,3405.67 2574.8,3315.67 v1(2594.49,3315.67) 2665.35,3240.67 2665.35,3141.73 2538.98,3015.35 v1(2538.98,2976.77)
WTCK: U$9.P$2 XMC4200.34 | length 925
  Top w8: U$9.P$2@1512.89,1154.77 1598.43,1240.31 1598.58,1240.31 1614.17,1255.91 1614.17,1724.41 v1(1594.49,1744.09) ; v1(1614.17,1866.14) 1614.17,1984.25 1624.8,1994.88 XMC4200.34@1646.97,1994.88
  Bottom w8: v1(1594.49,1744.09) 1614.17,1763.78 v1(1614.17,1866.14)
WTMS: U$9.P$3 XMC4200.33 | length 984.1
  Top w8: U$9.P$3@1548.24,1119.42 1622.05,1193.22 1622.36,1193.22 1629.92,1200.79 1629.92,1748.03 v1(1590.55,1787.4) ; v1(1590.55,1905.51) 1598.43,1913.39 1598.43,1992.13 1620.87,2014.57 XMC4200.33@1646.97,2014.57
  Bottom w8: v1(1590.55,1787.4) v1(1590.55,1905.51)
WUSB_DM: R204.1 XMC4200.3 | length 918.2
  Top w8: XMC4200.3@1918.62,1994.88 1981.5,1994.88 2019.68,1956.69 2409.45,1956.69 v1(2417.32,1964.57) ; v1(2685.04,1732.28) 2719.24,1732.28 R204.1@2720.87,1730.66
  Bottom w8: v1(2417.32,1964.57) 2452.76,1964.57 v1(2685.04,1732.28)
WUSB_DP: R206.1 XMC4200.4 | length 892.8
  Top w8: XMC4200.4@1918.62,2014.57 1985.43,2014.57 2027.56,1972.44 2366.14,1972.44 v1(2377.95,1984.25) ; v1(2685.04,1830.71) 2688.24,1833.91 R206.1@2720.87,1833.91
  Bottom w8: v1(2377.95,1984.25) 2381.89,1988.19 2452.76,1988.19 2610.24,1830.71 v1(2685.04,1830.71)
WVDDC: C208.1 C209.1 C210.1 XMC4200.6 XMC4200.31 | length 1014.7
  Top w8: C210.1@1500.55,1979.33 1552.17,1979.33 v1(1559.06,1972.44) 1566.93,1980.32 1566.93,2039.37 1571.63,2044.07 ; C209.1@1559.45,2044.07 1571.63,2044.07 ; XMC4200.31@1646.97,2053.94 1581.5,2053.94 1571.63,2044.07 ; XMC4200.6@1918.62,2053.94 1951.57,2053.94 1960.63,2062.99 2011.37,2062.99 C208.1@2015.6,2058.76 2015.6,2019.83 v1(2015.75,2019.68)
  Bottom w8: v1(1559.06,1972.44) 1614.17,1917.32 1614.17,1901.57 1653.54,1862.2 1653.54,1850.39 1673.23,1830.71 1885.83,1830.71 2015.75,1964.57 v1(2015.75,2019.68)
pads on no net: CON2.7 DPS310.P2 MPU9250.2 MPU9250.3 MPU9250.4 MPU9250.5 MPU9250.6 MPU9250.7 MPU9250.9 MPU9250.14 MPU9250.15 MPU9250.16 MPU9250.17 MPU9250.19 MPU9250.21 MPU9250.EXP Q1.2 Q1.4 Q2.2 Q2.4 USB1.2 USB1.P$1 USB1.P$2 USB1.P$3 USB1.P$4 USB.2 USB.P$1 USB.P$2 USB.P$3 USB.P$4 XMC4200.8 XMC4200.9 XMC4200.19 XMC4200.21 XMC4200.25 XMC4200.26 XMC4200.37 XMC4200.38 XMC4200.42 XMC4200.43 XMC4200.44 XMC4200.47

## Polygon pours and split planes (outlines as drawn)
GND on PGND_DGND "PGND_DGND-GND" (solid, remove dead copper, pour order 2): 4034.02,2023.56 3901.63,2023.56 3905.63,2444.82 3342.67,2444.82 3342.67,2370.14 3909.72,2370.14 3905.62,2023.56 2104.64,2023.56 1940.88,2187.32 1940.88,3137.86 3063.06,3137.86 3063.06,3066.99 3232.67,3066.99 3232.67,3232.67 3063.06,3232.67 3063.06,3133.8 1940.88,3133.8 1940.88,3880.33 2478.66,4417.67 3730.33,4417.67 4370.67,3777.33 4370.67,2561.33 4212.67,2403.85 4212.67,2107.97 4335.7,1985.89 4331.52,1726.73
GND on PGND_DGND "PGND_DGND-GND 1" (solid, remove dead copper, pour order 4): 1664.67,5296.63 1836.43,5201.25 2119.59,5075.39 2390.86,4980.52 2658.1,4921.63 3023.73,4886.67 3181.67,4882.57 3181.67,4429.67 2470.16,4429.67 1929.2,3889.01 1929.2,2174.89 2096.15,2007.93 4037.33,2004 4329.32,1712.66 4346.67,1712.66 4346.67,1994.41 4224.67,2116.45 4224.67,2395.36 4382.67,2552.84 4382.67,3790.01 3743.01,4429.67 3177.67,4429.67 3177.67,4882.45 3323.2,4890.64 3652.97,4929.61 3936.55,4996.51 4286.1,5118.36 4533.71,5244.16 4627.36,5296.64 5296.62,4627.37 5193.25,4439.87 5114.37,4267.15 5039.44,4085.33 4964.56,3837.71 4909.63,3551.1 4882.67,3264.52 4886.66,3071.11 4905.64,2756.45 4980.54,2410.48 5094.39,2052.68 5236.17,1765.72 5300.74,1660.81 4623.37,991.13 4480.67,1068.48 4480.67,1641.7 3901.67,1645.63 3901.67,1696.79 3787.67,1696.79 3787.67,1645.61 3456.67,1645.61 3456.67,1700.72 3342.67,1700.72 3342.67,1649.54 2716.6,1649.54 2716.6,1374.58 2599.3,1354.36 2229.61,1252.11 2029.25,1173.54 1793.17,1063.37 1664.66,991.08 995.06,1664.64 1122.39,1899.4 1232.46,2150.98 1318.95,2441.93 1381.87,2740.8 1394.07,2846.52 1555.18,2846.52 1555.18,2803.21 1606.24,2803.21 1606.24,2893.64 1555.18,2893.64 1555.18,2842.46 1393.3,2842.46 1405.45,2992.19 1409.38,3232.5 1370.06,3626.01 1287.5,3975.53 1185.29,4259.1 1059.49,4514.73 995.04,4631.38
GND on Top "Top-GND" (solid, remove dead copper, pour order 6): 2144.01,4811.67 3620.33,4811.67 3980.67,4451.33 3980.67,2379.61 4153.67,2206.38 4153.67,1982.6 3892.33,1720.41 1024.82,1720.41 1149.9,1954.43 1267.85,2257.15 1350.42,2567.77 1358.27,2614.89 1374,2693.54 1381.85,2760.28 1401.52,2937.19 1409.39,3114.1 1405.45,3323.44 1397.6,3405.23 1389.75,3476.02 1385.48,3502.05 1493.21,3609.48 1728.28,3848.31 1728.28,4396.33
VDD3.3 on Top "Top-VDD3.3" (solid, remove dead copper, pour order 14): 5092.16,4224.67 4000.67,4224.67 4000.67,3791.67 4952.58,3791.67
GND on Bottom "Bottom-GND" (solid, remove dead copper, pour order 8): 4386.67,1929.2 4134.67,1929.2 4134.67,1590.49 4386.67,1590.49
GND on Bottom "Bottom-GND 1" (solid, remove dead copper, pour order 10): 2478.66,4417.67 3785.33,4417.67 3980.67,4222.33 3980.67,2472.38 3272.67,2472.38 3272.67,1789.75 3207.4,1720.41 1028.92,1720.41 1169.58,1997.71 1236.39,2166.71 1271.75,2264.92 1370.06,2677.84 1409.38,3055.27 1401.47,3364.34 1930.24,3869.5
VDD3.3 on Bottom "Bottom-VDD3.3" (solid, remove dead copper, pour order 12): 4000.67,4224.67 5089.08,4224.67 4956.63,3791.67 4000.67,3791.67
VBAT_IN on Bottom "Bottom-VBAT_IN" (solid, remove dead copper, pour order 20): 4401.67,1929.2 4661.67,1929.2 4661.67,1590.49 4401.67,1590.49
COOLING on Bottom "Bottom-COOLING" (solid, remove dead copper, pour order 22): 4094.67,3417.67 4476.67,3417.67 4476.67,3161.67 4094.67,3161.67
VDD3.3 on VCC_VDD "VCC_VDD-VDD3.3" (solid, remove dead copper, pour order 16): 3878.67,4382.67 3878.67,3137.73 3224.67,3137.73 3224.67,3224.67 3066.99,3224.67 3066.99,3066.99 3224.67,3066.99 3224.67,3141.8 3878.67,3141.8 3878.67,2448.76 3342.67,2448.76 3342.67,2370.14 3878.67,2370.14 3878.67,2027.5 2007.81,2027.5 2007.81,4382.67
VBAT_IN on VCC_VDD "VCC_VDD-VBAT_IN" (solid, remove dead copper, pour order 18): 5296.67,1664.7 4623.34,991.08 4480.67,1072.48 4480.67,1641.7 3901.67,1645.63 3901.67,1700.72 3787.67,1700.72 3787.67,1645.61 3456.67,1645.61 3456.67,1700.72 3342.67,1700.72 3342.67,1645.61 2716.6,1645.61 2716.6,1370.66 2579.55,1346.48 2465.59,1322.9 2331.89,1287.51 2143.24,1220.71 1930.82,1134.16 1773.65,1051.65 1668.63,991.07 994.99,1664.71 1063.4,1781.41 1169.56,2001.6 1248.15,2201.99 1318.97,2426.23 1366.13,2642.4 1405.45,2964.84 1409.38,3256.52 1385.79,3520.15 1338.62,3790.75 1263.95,4042.32 1224.63,4152.19 1138.1,4368.97 1032,4565.61 994.96,4627.29 1664.64,5296.61 1899.41,5169.26 2048.72,5102.39 2237.49,5027.47 2465.37,4964.59 2693.56,4917.62 2913.69,4890.66 3051.29,4886.67 3201.62,4882.67 3425.3,4894.66 3597.89,4917.59 3759.66,4949.54 3971.44,5004.48 4141.28,5059.42 4262.97,5110.29 4439.8,5193.2 4573.59,5264.09 4627.28,5296.72 5296.63,4627.37 5197.29,4447.96 5130.37,4306.15 5059.43,4133.29 4992.52,3928.56 4941.61,3723.97 4905.03,3516.67 3897.67,3516.67 3897.67,4401.67 1980.38,4401.67 1980.38,2004 3897.67,2004 3897.67,3520.67 4906.04,3520.67 4882.67,3256.52 4886.66,3008.12 4898.65,2815.41 4937.59,2579.54 4996.5,2339.75 5102.37,2048.78 5220.22,1797.13

## Keep-outs
Keep-Out Layer:
  lines w8: 1000,1665.35 ccw(c-1445.45,3146.01) 1000,4626.67 1665.35,5291.67 ccw(c3146.01,7735.15) 4626.67,5291.67 5291.67,4626.67 ccw(c7733.18,3146.01) 5291.67,1665.35 4626.67,1000 ccw(c3146.01,-1441.51) 1665.35,1000 1000,1665.35

## Other copper
Top:
  text "Layer 1 TOP" at 2811.02,5606.67 h42.5
Bottom:
  text "Layer 2 BOT" at 2811.02,5535.67 h42.5
  text "V5" at 3283.67,4457.67 h47.6
  text "LARIX" at 3708.67,4437.67 h85

## Silkscreen, mask and mechanical layers (free items; w line width, h text height)
Top Overlay:
  text "tPlace" at 2814.96,5094.67 h77.5
Dimension:
  lines w8: 1000,1665.35 ccw(c-1445.45,3146.01) 1000,4626.67 1665.35,5291.67 ccw(c3146.01,7735.15) 4626.67,5291.67 5291.67,4626.67 ccw(c7733.18,3146.01) 5291.67,1665.35 4626.67,1000 ccw(c3146.01,-1441.51) 1665.35,1000 1000,1665.35
  text "Dimensions" at 2814.96,5169.67 h77.5
tNames:
  text "tNames" at 2814.96,5299.67 h77.5
tValues:
  text "tValues" at 2814.96,5232.67 h77.5
tRestrict:
  lines w16: 3338.67,2364.17 3460.67,2364.17 3460.67,2456.69 3338.67,2456.69 3338.67,2366.93 ; 3783.67,2362.2 3905.67,2362.2 3905.67,2456.69 3783.67,2456.69 3783.67,2370.08
bRestrict:
  lines w8: 3074.8,3074.8 3074.8,3216.67 3216.67,3216.67 3216.67,3074.8 3074.8,3074.8
Milling:
  lines w8: 3807.67,4874.67 3834.67,4874.67 ; 3846.67,4862.67 3834.67,4874.67 ; 3846.67,4886.67 3834.67,4874.67
Measures:
  text "[mm]" at 2191.73,4031.67 h310
Document:
  text "LD2" at 1393.7,4583.67 h49.6
  text "D4" at 3323.67,3917.67 h37.2
  text "D3" at 3153.67,3685.67 h37.2 r90
  text "USB" at 3756.67,3437.67 h37.2
  text "LD1" at 4842.67,1791.34 h37.2
  text "Bluetooth" at 3535.67,1677.17 h37.2
tSilk:
  circle w5: c1705.91,3502.67 r69
  circle w0: c2845.28,3239.67 r12
  circle w0: c3243.67,3105.12 r12
  circle w12: c3162.67,4257.67 r8
  circle w0: c1770.47,2754.72 r12
  circle w8: c2022.05,4952.67 r62
  circle w8: c1344.88,4271.67 r62
  circle w8: c1340.55,2022.44 r62
  circle w8: c2017.72,1345.28 r62
  circle w8: c4949.67,4271.67 r62
  circle w8: c4272.67,4949.67 r62
  circle w8: c4273.67,1345.67 r62
  circle w8: c3147.67,1609.45 r62
  circle w8: c1612.2,3148.67 r62
  circle w8: c3148.67,4681.67 r62
  circle w8: c4678.67,3149.67 r62
  circle w8: c4947.67,2018.9 r62
  circle w0: c4388.67,3436.67 r12
  circle w0: c5038.67,1880.71 r12
  circle w0: c1357.09,4692.67 r12
  circle w0: c1731.1,1553.94 r12
  circle w0: c4491.67,4857.67 r12
  circle w0: c2274.41,2266.54 r12
  circle w0: c2479.13,3971.67 r12
  circle w0: c1955.51,1955.51 r12
  circle w0: c1510.63,1219.29 r12
  lines w4: 2814.96,4583.67 2814.96,4594.67 ; 2814.96,4606.67 2814.96,4594.67 ; 2814.96,4669.67 2814.96,4681.67 ; 2814.96,4693.67 2814.96,4681.67 ; 2814.96,4752.67 2814.96,4764.67 ; 2814.96,4775.67 2814.96,4764.67 ; 2830.71,4583.67 2814.96,4594.67 ; 2830.71,4606.67 2814.96,4594.67 ; 2830.71,4669.67 2814.96,4681.67 ; 2830.71,4693.67 2814.96,4681.67 ; 2830.71,4752.67 2814.96,4764.67 ; 2830.71,4775.67 2814.96,4764.67 ; 2972.44,3972.67 2988.19,3984.67 ; 2972.44,3996.67 2988.19,3984.67 ; 2988.19,3972.67 2988.19,3984.67 ; 2988.19,3996.67 2988.19,3984.67 ; 4067.67,2055.12 4079.67,2055.12 ; 4067.67,2070.87 4079.67,2055.12 ; 4090.67,2055.12 4079.67,2055.12 ; 4090.67,2070.87 4079.67,2055.12 ; 4208.67,4189.67 4208.67,4197.67 ; 4208.67,4205.67 4208.67,4197.67 ; 4220.67,4189.67 4208.67,4197.67 ; 4220.67,4205.67 4208.67,4197.67 ; 4394.67,1748.03 4394.67,1913.39
  lines w8: 1535.43,2885.83 1535.43,2681.1 1637.8,2681.1 ; 1535.43,2964.57 1685.04,2964.57 1685.04,2700.79 ; 1661.42,2633.86 1673.23,2633.86 ; 1661.42,2681.1 1673.23,2681.1 ; 1704.72,2633.86 1673.23,2633.86 ; 1704.72,2681.1 1673.23,2681.1 ; 2803.15,2704.72 2803.15,2622.05 3484.67,2622.05 3484.67,3082.68 ; 2803.15,3614.67 2803.15,3669.67 3474.67,3669.67 ; 2834.65,1661.42 2834.65,1523.62 3007.87,1523.62 3007.87,1960.63 2838.58,1960.63 ; 2834.65,1826.77 2834.65,1960.63 ; 3364.67,4645.67 3401.67,4682.67 3401.67,4687.67 3356.67,4732.67 3512.67,4732.67 3512.67,4576.67 3467.67,4620.67 3462.67,4620.67 3426.67,4584.67 ; 3441.67,3114.17 3457.67,3114.17 ; 3441.67,3161.67 3457.67,3161.67 ; 3476.67,3669.67 3484.67,3669.67 3484.67,3212.67 ; 3504.67,3114.17 3457.67,3114.17 ; 3504.67,3161.67 3457.67,3161.67 ; 3708.67,3181.67 3708.67,3043.31 3882.67,3043.31 3882.67,3480.67 3712.67,3480.67 ; 3708.67,3346.67 3708.67,3480.67 ; 4279.67,3586.67 4279.67,3705.67 ; 4346.67,2775.59 4362.67,2775.59 ; 4346.67,2822.83 4362.67,2822.83 ; 4417.67,2775.59 4362.67,2775.59 ; 4417.67,2822.83 4362.67,2822.83 ; 1673.23,2633.86 1673.23,2681.1 ; 3457.67,3114.17 3457.67,3161.67 ; 4362.67,2775.59 4362.67,2822.83 ; 1511.81,2885.83 1551.18,2925.2 1511.81,2964.57 1511.81,2885.83 ; 1583.86,3384.67 1583.86,3620.67 1824.02,3620.67 1824.02,3384.67 1583.86,3384.67 ; 2801.18,4065.67 2801.18,4431.67 3360.67,4431.67 3360.67,4065.67 2801.18,4065.67 ; 2803.15,3724.67 2803.15,4035.67 3358.67,4035.67 3358.67,3724.67 2803.15,3724.67 ; 3055.12,4161.67 3055.12,4268.67 3137.8,4268.67 3137.8,4161.67 3055.12,4161.67 ; 3244.67,3771.67 3244.67,3850.67 3303.67,3850.67 3303.67,3771.67 3244.67,3771.67 ; 4240.67,1744.09 4547.67,1744.09 4547.67,1917.32 4240.67,1917.32 4240.67,1744.09
  lines w10: 2042.61,3146.67 2410.08,2778.83 2424,2778.83 2781.73,3136.56 2781.73,3170.67 2424,3528.67 2410.08,3528.67 2042.61,3160.67 2042.61,3146.67
  lines w16: 3291.67,3756.67 3299.67,3756.67
  text "TOP Silkscreen" at 2811.02,5457.67 h42.5
  text "VBAT" at 4427.04,5108.68 h34
  text "U  V  W" at 4727.14,4856.59 h34 r315
  text "State1" at 2563.78,4746.88 h40.8
  text "U  V  W" at 1435.66,4694.94 h34 r45
  text "W  V  U" at 3749.04,4691.54 h34 r16
  text "State2" at 2550.19,4660.88 h40.8
  text "FRONT" at 3307.48,4617.79 h34 r315
  text "State3" at 2550.19,4573.88 h40.8
  text "VBAT" at 1123.41,4509.68 h34
  text "DPS310" at 2996.73,4374.68 h34
  text "PMM TI COP" at 1564.26,4269.67 h80.6
  text "www.mci.edu" at 4398.67,4260.67 h80.6
  text "Origa" at 3052.72,3990.01 h34
  text "U  V  W" at 1494.91,3972.3 h34 r286
  text "GND" at 4392.67,3624.67 h34
  text "5V" at 4108.67,3620.67 h34
  text "MPU9x50" at 3078.43,3530.18 h42.5
  text "RESET" at 1565.75,3423.67 h34 r90
  text "XMC4500" at 2437.5,3388.79 h42.5 r315
  text "9250" at 3258.97,3154.48 h27.2
  text "F100K1024" at 2156.56,3110.31 h42.5 r315
  text "USB" at 3764.03,2993.57 h34
  text "P4.0" at 3543.71,2826.64 h34
  text "P3.5" at 3876.71,2826.25 h34
  text "3V3" at 3576.03,2725.46 h34
  text "GND" at 3886.03,2723.1 h34
  text "GPS" at 3729.03,2654.99 h34
  text "CORTEX" at 1529.53,2558.8 h34
  text "W  V  U" at 4689.54,2544.25 h34 r286
  text "DEBUG" at 1529.53,2524.8 h34
  text "SJ1" at 1862.45,2418.82 h34
  text "RC-Control" at 2883.33,2413.52 h34
  text "3V3" at 3578.66,2389.68 h34 r90
  text "GND" at 3678.66,2389.68 h34 r90
  text "P0.4" at 2914.81,2348.3 h34
  text "BAT Safety" at 4201.44,2293.88 h34
  text "GND" at 2929.38,2253.24 h34
  text "OBD" at 2036.52,2247.15 h34
  text "XMC4200" at 1900.57,2213.15 h34
  text "3V3" at 2929.38,2151.1 h34
  text "Bluetooth" at 3762.7,2151.21 h42.5
  text "P5.1" at 3575.66,2054.57 h34 r90
  text "P1.5" at 3681.66,2048.91 h34 r90
  text "AUX" at 2846.7,2044.8 h34
  text "DBG" at 2846.7,1981.81 h34
  text "SJ6" at 2176.83,1826.72 h34
  text "GND" at 4292.66,1793.61 h34 r90
  text "VBAT" at 4524.66,1783.25 h34 r90
  text "BAT IN" at 4217.66,1752.43 h34 r90
  text "SJ5" at 2180.77,1744.04 h34
  text "VBAT" at 5081.04,1737.66 h34
  text "W  V  U" at 1425.87,1563.98 h34 r315
  text "U  V  W" at 2318.97,1484.31 h34 r16
  text "DEBUG" at 2853.2,1469.95 h34
  text "W  V  U" at 4728.4,1388.3 h34 r45
  text "VBAT" at 1839.94,1194.36 h34
bSilk:
  lines w8: 4110.67,1570.87 4110.67,2015.75 4681.67,2015.75 4681.67,1570.87 4110.67,1570.87
  text "BOT Silkscreen" at 2814.96,5374.67 h42.5
  text "GND" at 3451.31,4326.68 h34
  text "P1.15" at 2804.72,4317.67 h34
  text "P2.4" at 2804.72,4227.67 h34
  text "3V3" at 3448.31,4227.68 h34
  text "PMM TI COP" at 2281.1,4225.67 h97.65
  text "www.mci.edu" at 4605.67,4216.67 h97.65
  text "P2.5" at 2804.72,4120.67 h34
  text "Jumper" at 2864.74,3747.73 h34 r270
  text "P0.5" at 3305.67,3376.67 h34
  text "P5.0" at 3305.67,2978.74 h34
  text "P5.2" at 3305.67,2880.32 h34
  text "GND" at 3305.67,2777.95 h34
  text "3V3" at 3305.67,2675.59 h34
  text "OBD" at 1603.94,2536.36 h34
  text "disable" at 1603.94,2502.36 h34
  text "SJ3" at 3415.67,2281.89 h34
  text "SJ2" at 3415.67,2163.78 h34
  text "BAT IN" at 4513.67,1939.37 h40.8
  text "GND" at 4222.67,1935.43 h34
  text "VBAT" at 4667.67,1935.43 h34

## Dimensions
3145.67,3145.67 to 4447.67,3145.67 on Measures
3145.67,3145.67 to 4949.67,4271.67 on Measures
3145.67,3145.67 to 4949.67,2019.68 on Measures
3145.67,3145.67 to 4681.67,3145.67 on Measures
3145.67,3145.67 to 4071.17,3145.67 on Milling
3145.67,3145.67 to 4163.17,3145.67 on Milling
3145.67,3145.67 to 4248.17,3145.67 on Milling
3145.67,3145.67 to 4389.17,3145.67 on Milling
3145.67,3145.67 to 2484.25,1417.32 on Milling
3145.67,3145.67 to 4874.67,2484.25 on Milling
3145.67,3145.67 to 1416.95,3805.67 on Milling
3145.67,3145.67 to 3806.67,4873.67 on Milling
3145.67,3145.67 to 3831.67,4843.67 on Measures